# KiCad board LED_Addrs.kicad_pcb (continued)
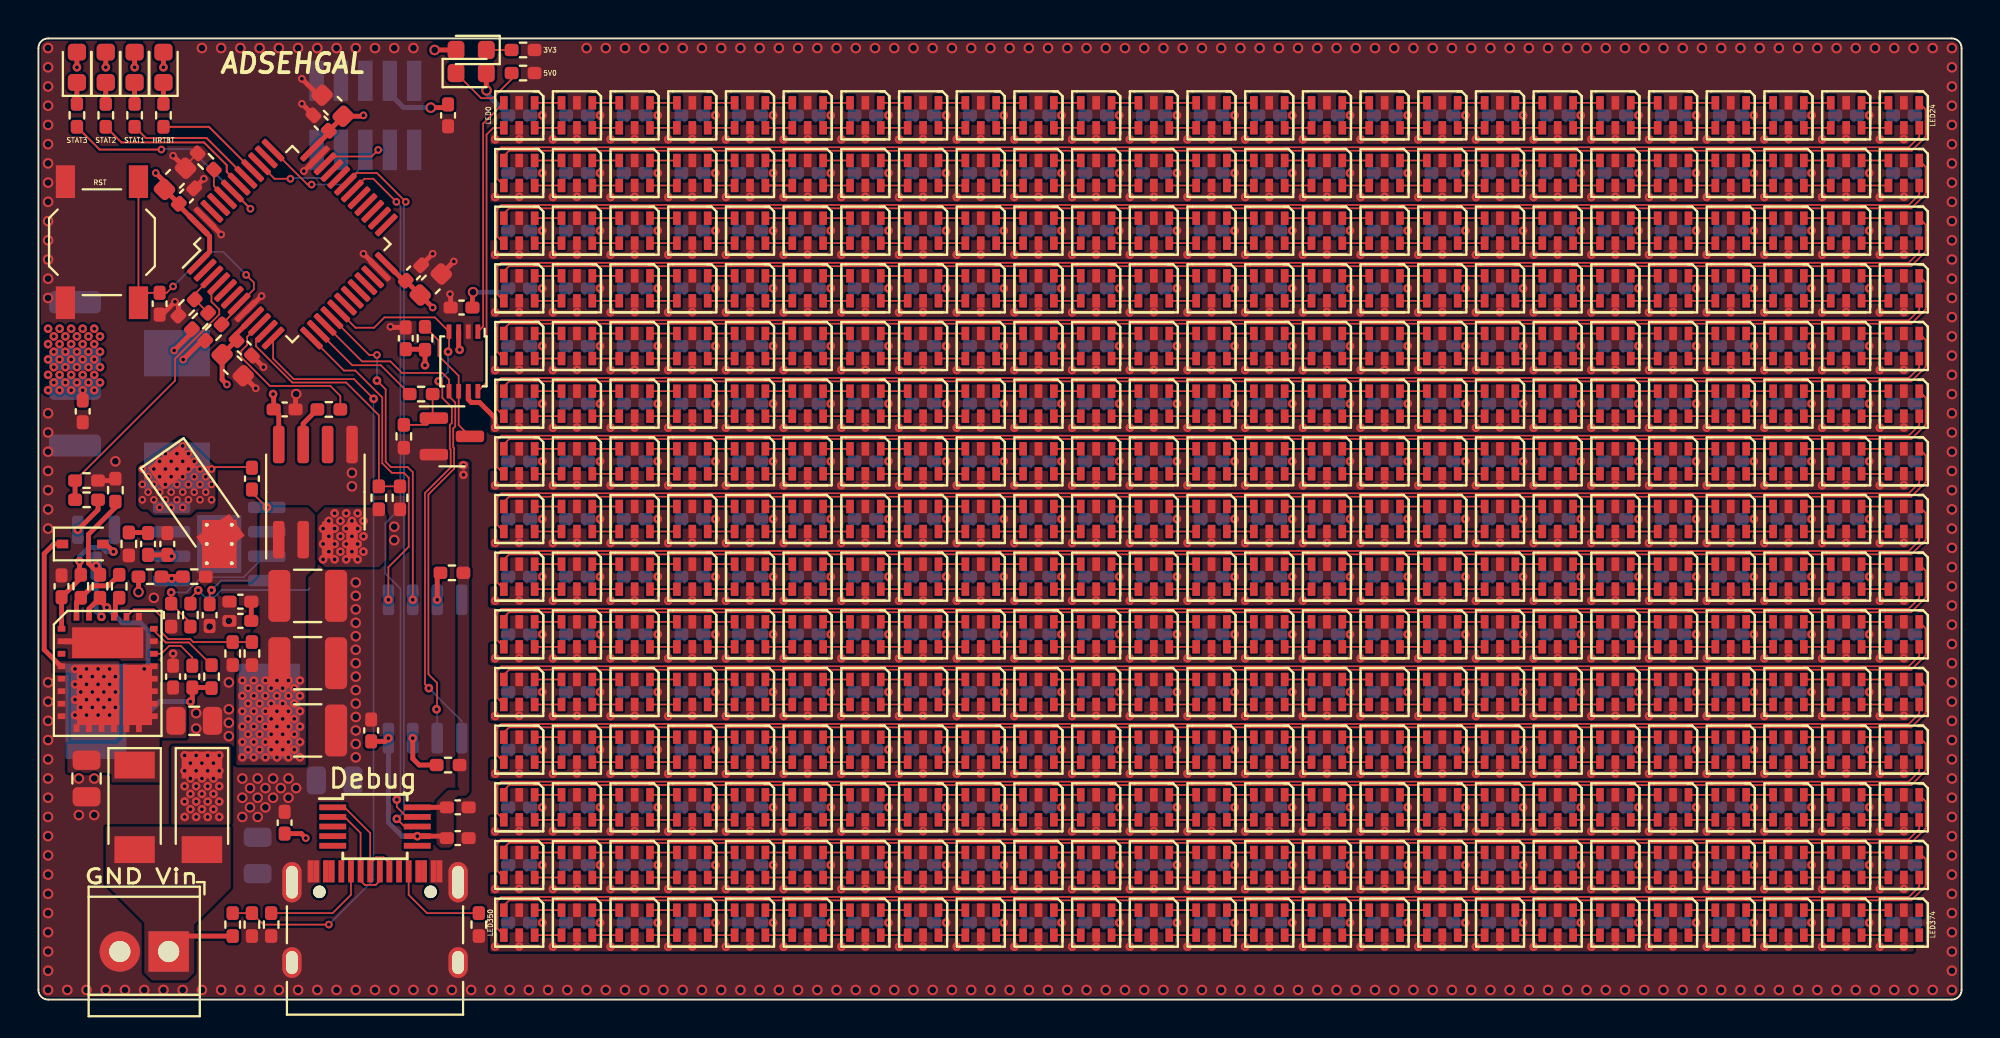
[diagram p0: board, top side]
## Nets (continued)
Net-(D147-Pad6): D147.6 D148.4
Net-(D148-Pad1): D148.1 D149.3
Net-(D148-Pad6): D148.6 D149.4
Net-(D149-Pad1): D149.1 D150.3
Net-(D149-Pad6): D149.6 D150.4
Net-(D151-Pad1): D151.1 D152.3
Net-(D151-Pad6): D151.6 D152.4
Net-(D152-Pad1): D152.1 D153.3
Net-(D152-Pad6): D152.6 D153.4
Net-(D153-Pad1): D153.1 D154.3
Net-(D153-Pad6): D153.6 D154.4
Net-(D154-Pad1): D154.1 D155.3
Net-(D154-Pad6): D154.6 D155.4
Net-(D155-Pad1): D155.1 D156.3
Net-(D155-Pad6): D155.6 D156.4
Net-(D156-Pad1): D156.1 D157.3
Net-(D156-Pad6): D156.6 D157.4
Net-(D157-Pad1): D157.1 D158.3
Net-(D157-Pad6): D157.6 D158.4
Net-(D158-Pad1): D158.1 D159.3
Net-(D158-Pad6): D158.6 D159.4
Net-(D159-Pad1): D159.1 D160.3
Net-(D159-Pad6): D159.6 D160.4
Net-(D160-Pad1): D160.1 D161.3
Net-(D160-Pad6): D160.6 D161.4
Net-(D161-Pad1): D161.1 D162.3
Net-(D161-Pad6): D161.6 D162.4
Net-(D162-Pad1): D162.1 D163.3
Net-(D162-Pad6): D162.6 D163.4
Net-(D163-Pad1): D163.1 D164.3
Net-(D163-Pad6): D163.6 D164.4
Net-(D164-Pad1): D164.1 D165.3
Net-(D164-Pad6): D164.6 D165.4
Net-(D165-Pad1): D165.1 D166.3
Net-(D165-Pad6): D165.6 D166.4
Net-(D166-Pad1): D166.1 D167.3
Net-(D166-Pad6): D166.6 D167.4
Net-(D167-Pad1): D167.1 D168.3
Net-(D167-Pad6): D167.6 D168.4
Net-(D168-Pad1): D168.1 D169.3
Net-(D168-Pad6): D168.6 D169.4
Net-(D169-Pad1): D169.1 D170.3
Net-(D169-Pad6): D169.6 D170.4
Net-(D170-Pad1): D170.1 D171.3
Net-(D170-Pad6): D170.6 D171.4
Net-(D171-Pad1): D171.1 D172.3
Net-(D171-Pad6): D171.6 D172.4
Net-(D172-Pad1): D172.1 D173.3
Net-(D172-Pad6): D172.6 D173.4
Net-(D173-Pad1): D173.1 D174.3
Net-(D173-Pad6): D173.6 D174.4
Net-(D174-Pad1): D174.1 D175.3
Net-(D174-Pad6): D174.6 D175.4
Net-(D176-Pad1): D176.1 D177.3
Net-(D176-Pad6): D176.6 D177.4
Net-(D177-Pad1): D177.1 D178.3
Net-(D177-Pad6): D177.6 D178.4
Net-(D178-Pad1): D178.1 D179.3
Net-(D178-Pad6): D178.6 D179.4
Net-(D179-Pad1): D179.1 D180.3
Net-(D179-Pad6): D179.6 D180.4
Net-(D180-Pad1): D180.1 D181.3
Net-(D180-Pad6): D180.6 D181.4
Net-(D181-Pad1): D181.1 D182.3
Net-(D181-Pad6): D181.6 D182.4
Net-(D182-Pad1): D182.1 D183.3
Net-(D182-Pad6): D182.6 D183.4
Net-(D183-Pad1): D183.1 D184.3
Net-(D183-Pad6): D183.6 D184.4
Net-(D184-Pad1): D184.1 D185.3
Net-(D184-Pad6): D184.6 D185.4
Net-(D185-Pad1): D185.1 D186.3
Net-(D185-Pad6): D185.6 D186.4
Net-(D186-Pad1): D186.1 D187.3
Net-(D186-Pad6): D186.6 D187.4
Net-(D187-Pad1): D187.1 D188.3
Net-(D187-Pad6): D187.6 D188.4
Net-(D188-Pad1): D188.1 D189.3
Net-(D188-Pad6): D188.6 D189.4
Net-(D189-Pad1): D189.1 D190.3
Net-(D189-Pad6): D189.6 D190.4
Net-(D190-Pad1): D190.1 D191.3
Net-(D190-Pad6): D190.6 D191.4
Net-(D191-Pad1): D191.1 D192.3
Net-(D191-Pad6): D191.6 D192.4
Net-(D192-Pad1): D192.1 D193.3
Net-(D192-Pad6): D192.6 D193.4
Net-(D193-Pad1): D193.1 D194.3
Net-(D193-Pad6): D193.6 D194.4
Net-(D194-Pad1): D194.1 D195.3
Net-(D194-Pad6): D194.6 D195.4
Net-(D195-Pad1): D195.1 D196.3
Net-(D195-Pad6): D195.6 D196.4
Net-(D196-Pad1): D196.1 D197.3
Net-(D196-Pad6): D196.6 D197.4
Net-(D197-Pad1): D197.1 D198.3
Net-(D197-Pad6): D197.6 D198.4
Net-(D198-Pad1): D198.1 D199.3
Net-(D198-Pad6): D198.6 D199.4
Net-(D199-Pad1): D199.1 D200.3
Net-(D199-Pad6): D199.6 D200.4
Net-(D201-Pad1): D201.1 D202.3
Net-(D201-Pad6): D201.6 D202.4
Net-(D202-Pad1): D202.1 D203.3
Net-(D202-Pad6): D202.6 D203.4
Net-(D203-Pad1): D203.1 D204.3
Net-(D203-Pad6): D203.6 D204.4
Net-(D204-Pad1): D204.1 D205.3
Net-(D204-Pad6): D204.6 D205.4
Net-(D205-Pad1): D205.1 D206.3
Net-(D205-Pad6): D205.6 D206.4
Net-(D206-Pad1): D206.1 D207.3
Net-(D206-Pad6): D206.6 D207.4
Net-(D207-Pad1): D207.1 D208.3
Net-(D207-Pad6): D207.6 D208.4
Net-(D208-Pad1): D208.1 D209.3
Net-(D208-Pad6): D208.6 D209.4
Net-(D209-Pad1): D209.1 D210.3
Net-(D209-Pad6): D209.6 D210.4
Net-(D210-Pad1): D210.1 D211.3
Net-(D210-Pad6): D210.6 D211.4
Net-(D211-Pad1): D211.1 D212.3
Net-(D211-Pad6): D211.6 D212.4
Net-(D212-Pad1): D212.1 D213.3
Net-(D212-Pad6): D212.6 D213.4
Net-(D213-Pad1): D213.1 D214.3
Net-(D213-Pad6): D213.6 D214.4
Net-(D214-Pad1): D214.1 D215.3
Net-(D214-Pad6): D214.6 D215.4
Net-(D215-Pad1): D215.1 D216.3
Net-(D215-Pad6): D215.6 D216.4
Net-(D216-Pad1): D216.1 D217.3
Net-(D216-Pad6): D216.6 D217.4
Net-(D217-Pad1): D217.1 D218.3
Net-(D217-Pad6): D217.6 D218.4
Net-(D218-Pad1): D218.1 D219.3
Net-(D218-Pad6): D218.6 D219.4
Net-(D219-Pad1): D219.1 D220.3
Net-(D219-Pad6): D219.6 D220.4
Net-(D220-Pad1): D220.1 D221.3
Net-(D220-Pad6): D220.6 D221.4
Net-(D221-Pad1): D221.1 D222.3
Net-(D221-Pad6): D221.6 D222.4
Net-(D222-Pad1): D222.1 D223.3
Net-(D222-Pad6): D222.6 D223.4
Net-(D223-Pad1): D223.1 D224.3
Net-(D223-Pad6): D223.6 D224.4
Net-(D224-Pad1): D224.1 D225.3
Net-(D224-Pad6): D224.6 D225.4
Net-(D226-Pad1): D226.1 D227.3
Net-(D226-Pad6): D226.6 D227.4
Net-(D227-Pad1): D227.1 D228.3
Net-(D227-Pad6): D227.6 D228.4
Net-(D228-Pad1): D228.1 D229.3
Net-(D228-Pad6): D228.6 D229.4
Net-(D229-Pad1): D229.1 D230.3
Net-(D229-Pad6): D229.6 D230.4
Net-(D230-Pad1): D230.1 D231.3
Net-(D230-Pad6): D230.6 D231.4
Net-(D231-Pad1): D231.1 D232.3
Net-(D231-Pad6): D231.6 D232.4
Net-(D232-Pad1): D232.1 D233.3
Net-(D232-Pad6): D232.6 D233.4
Net-(D233-Pad1): D233.1 D234.3
Net-(D233-Pad6): D233.6 D234.4
Net-(D234-Pad1): D234.1 D235.3
Net-(D234-Pad6): D234.6 D235.4
Net-(D235-Pad1): D235.1 D236.3
Net-(D235-Pad6): D235.6 D236.4
Net-(D236-Pad1): D236.1 D237.3
Net-(D236-Pad6): D236.6 D237.4
Net-(D237-Pad1): D237.1 D238.3
Net-(D237-Pad6): D237.6 D238.4
Net-(D238-Pad1): D238.1 D239.3
Net-(D238-Pad6): D238.6 D239.4
Net-(D239-Pad1): D239.1 D240.3
Net-(D239-Pad6): D239.6 D240.4
Net-(D240-Pad1): D240.1 D241.3
Net-(D240-Pad6): D240.6 D241.4
Net-(D241-Pad1): D241.1 D242.3
Net-(D241-Pad6): D241.6 D242.4
Net-(D242-Pad1): D242.1 D243.3
Net-(D242-Pad6): D242.6 D243.4
Net-(D243-Pad1): D243.1 D244.3
Net-(D243-Pad6): D243.6 D244.4
Net-(D244-Pad1): D244.1 D245.3
Net-(D244-Pad6): D244.6 D245.4
Net-(D245-Pad1): D245.1 D246.3
Net-(D245-Pad6): D245.6 D246.4
Net-(D246-Pad1): D246.1 D247.3
Net-(D246-Pad6): D246.6 D247.4
Net-(D247-Pad1): D247.1 D248.3
Net-(D247-Pad6): D247.6 D248.4
Net-(D248-Pad1): D248.1 D249.3
Net-(D248-Pad6): D248.6 D249.4
Net-(D249-Pad1): D249.1 D250.3
Net-(D249-Pad6): D249.6 D250.4
Net-(D251-Pad1): D251.1 D252.3
Net-(D251-Pad6): D251.6 D252.4
Net-(D252-Pad1): D252.1 D253.3
Net-(D252-Pad6): D252.6 D253.4
Net-(D253-Pad1): D253.1 D254.3
Net-(D253-Pad6): D253.6 D254.4
Net-(D254-Pad1): D254.1 D255.3
Net-(D254-Pad6): D254.6 D255.4
Net-(D255-Pad1): D255.1 D256.3
Net-(D255-Pad6): D255.6 D256.4
Net-(D256-Pad1): D256.1 D257.3
Net-(D256-Pad6): D256.6 D257.4
Net-(D257-Pad1): D257.1 D258.3
Net-(D257-Pad6): D257.6 D258.4
Net-(D258-Pad1): D258.1 D259.3
Net-(D258-Pad6): D258.6 D259.4
Net-(D259-Pad1): D259.1 D260.3
Net-(D259-Pad6): D259.6 D260.4
Net-(D260-Pad1): D260.1 D261.3
Net-(D260-Pad6): D260.6 D261.4
Net-(D261-Pad1): D261.1 D262.3
Net-(D261-Pad6): D261.6 D262.4
Net-(D262-Pad1): D262.1 D263.3
Net-(D262-Pad6): D262.6 D263.4
Net-(D263-Pad1): D263.1 D264.3
Net-(D263-Pad6): D263.6 D264.4
Net-(D264-Pad1): D264.1 D265.3
Net-(D264-Pad6): D264.6 D265.4
Net-(D265-Pad1): D265.1 D266.3
Net-(D265-Pad6): D265.6 D266.4
Net-(D266-Pad1): D266.1 D267.3
Net-(D266-Pad6): D266.6 D267.4
Net-(D267-Pad1): D267.1 D268.3
Net-(D267-Pad6): D267.6 D268.4
Net-(D268-Pad1): D268.1 D269.3
Net-(D268-Pad6): D268.6 D269.4
Net-(D269-Pad1): D269.1 D270.3
Net-(D269-Pad6): D269.6 D270.4
Net-(D270-Pad1): D270.1 D271.3
Net-(D270-Pad6): D270.6 D271.4
Net-(D271-Pad1): D271.1 D272.3
Net-(D271-Pad6): D271.6 D272.4
Net-(D272-Pad1): D272.1 D273.3
Net-(D272-Pad6): D272.6 D273.4
Net-(D273-Pad1): D273.1 D274.3
Net-(D273-Pad6): D273.6 D274.4
Net-(D274-Pad1): D274.1 D275.3
Net-(D274-Pad6): D274.6 D275.4
Net-(D276-Pad1): D276.1 D277.3
Net-(D276-Pad6): D276.6 D277.4
Net-(D277-Pad1): D277.1 D278.3
Net-(D277-Pad6): D277.6 D278.4
Net-(D278-Pad1): D278.1 D279.3
Net-(D278-Pad6): D278.6 D279.4
Net-(D279-Pad1): D279.1 D280.3
Net-(D279-Pad6): D279.6 D280.4
Net-(D280-Pad1): D280.1 D281.3
Net-(D280-Pad6): D280.6 D281.4
Net-(D281-Pad1): D281.1 D282.3
Net-(D281-Pad6): D281.6 D282.4
Net-(D282-Pad1): D282.1 D283.3
Net-(D282-Pad6): D282.6 D283.4
Net-(D283-Pad1): D283.1 D284.3
Net-(D283-Pad6): D283.6 D284.4
Net-(D284-Pad1): D284.1 D285.3
Net-(D284-Pad6): D284.6 D285.4
Net-(D285-Pad1): D285.1 D286.3
Net-(D285-Pad6): D285.6 D286.4
Net-(D286-Pad1): D286.1 D287.3
Net-(D286-Pad6): D286.6 D287.4
Net-(D287-Pad1): D287.1 D288.3
Net-(D287-Pad6): D287.6 D288.4
Net-(D288-Pad1): D288.1 D289.3
Net-(D288-Pad6): D288.6 D289.4
Net-(D289-Pad1): D289.1 D290.3
Net-(D289-Pad6): D289.6 D290.4
Net-(D290-Pad1): D290.1 D291.3
Net-(D290-Pad6): D290.6 D291.4
Net-(D291-Pad1): D291.1 D292.3
Net-(D291-Pad6): D291.6 D292.4
Net-(D292-Pad1): D292.1 D293.3
Net-(D292-Pad6): D292.6 D293.4
Net-(D293-Pad1): D293.1 D294.3
Net-(D293-Pad6): D293.6 D294.4
Net-(D294-Pad1): D294.1 D295.3
Net-(D294-Pad6): D294.6 D295.4
Net-(D295-Pad1): D295.1 D296.3
Net-(D295-Pad6): D295.6 D296.4
Net-(D296-Pad1): D296.1 D297.3
Net-(D296-Pad6): D296.6 D297.4
Net-(D297-Pad1): D297.1 D298.3
Net-(D297-Pad6): D297.6 D298.4
Net-(D298-Pad1): D298.1 D299.3
Net-(D298-Pad6): D298.6 D299.4
Net-(D299-Pad1): D299.1 D300.3
Net-(D299-Pad6): D299.6 D300.4
Net-(D301-Pad1): D301.1 D302.3
Net-(D301-Pad6): D301.6 D302.4
Net-(D302-Pad1): D302.1 D303.3
Net-(D302-Pad6): D302.6 D303.4
Net-(D303-Pad1): D303.1 D304.3
Net-(D303-Pad6): D303.6 D304.4
Net-(D304-Pad1): D304.1 D305.3
Net-(D304-Pad6): D304.6 D305.4
Net-(D305-Pad1): D305.1 D306.3
Net-(D305-Pad6): D305.6 D306.4
Net-(D306-Pad1): D306.1 D307.3
Net-(D306-Pad6): D306.6 D307.4
Net-(D307-Pad1): D307.1 D308.3
Net-(D307-Pad6): D307.6 D308.4
Net-(D308-Pad1): D308.1 D309.3
Net-(D308-Pad6): D308.6 D309.4
Net-(D309-Pad1): D309.1 D310.3
Net-(D309-Pad6): D309.6 D310.4
Net-(D310-Pad1): D310.1 D311.3
Net-(D310-Pad6): D310.6 D311.4
Net-(D311-Pad1): D311.1 D312.3
Net-(D311-Pad6): D311.6 D312.4
Net-(D312-Pad1): D312.1 D313.3
Net-(D312-Pad6): D312.6 D313.4
Net-(D313-Pad1): D313.1 D314.3
Net-(D313-Pad6): D313.6 D314.4
Net-(D314-Pad1): D314.1 D315.3
Net-(D314-Pad6): D314.6 D315.4
Net-(D315-Pad1): D315.1 D316.3
Net-(D315-Pad6): D315.6 D316.4
Net-(D316-Pad1): D316.1 D317.3
Net-(D316-Pad6): D316.6 D317.4
Net-(D317-Pad1): D317.1 D318.3
Net-(D317-Pad6): D317.6 D318.4
Net-(D318-Pad1): D318.1 D319.3
Net-(D318-Pad6): D318.6 D319.4
Net-(D319-Pad1): D319.1 D320.3
Net-(D319-Pad6): D319.6 D320.4
Net-(D320-Pad1): D320.1 D321.3
Net-(D320-Pad6): D320.6 D321.4
Net-(D321-Pad1): D321.1 D322.3
Net-(D321-Pad6): D321.6 D322.4
Net-(D322-Pad1): D322.1 D323.3
Net-(D322-Pad6): D322.6 D323.4
Net-(D323-Pad1): D323.1 D324.3
Net-(D323-Pad6): D323.6 D324.4
Net-(D324-Pad1): D324.1 D325.3
Net-(D324-Pad6): D324.6 D325.4
Net-(D326-Pad1): D326.1 D327.3
Net-(D326-Pad6): D326.6 D327.4
Net-(D327-Pad1): D327.1 D328.3
Net-(D327-Pad6): D327.6 D328.4
Net-(D328-Pad1): D328.1 D329.3
Net-(D328-Pad6): D328.6 D329.4
Net-(D329-Pad1): D329.1 D330.3
Net-(D329-Pad6): D329.6 D330.4
Net-(D330-Pad1): D330.1 D331.3
Net-(D330-Pad6): D330.6 D331.4
Net-(D331-Pad1): D331.1 D332.3
Net-(D331-Pad6): D331.6 D332.4
Net-(D332-Pad1): D332.1 D333.3
Net-(D332-Pad6): D332.6 D333.4
Net-(D333-Pad1): D333.1 D334.3
Net-(D333-Pad6): D333.6 D334.4
Net-(D334-Pad1): D334.1 D335.3
Net-(D334-Pad6): D334.6 D335.4
Net-(D335-Pad1): D335.1 D336.3
Net-(D335-Pad6): D335.6 D336.4
Net-(D336-Pad1): D336.1 D337.3
Net-(D336-Pad6): D336.6 D337.4
Net-(D337-Pad1): D337.1 D338.3
Net-(D337-Pad6): D337.6 D338.4
Net-(D338-Pad1): D338.1 D339.3
Net-(D338-Pad6): D338.6 D339.4
Net-(D339-Pad1): D339.1 D340.3
Net-(D339-Pad6): D339.6 D340.4
Net-(D340-Pad1): D340.1 D341.3
Net-(D340-Pad6): D340.6 D341.4
Net-(D341-Pad1): D341.1 D342.3
Net-(D341-Pad6): D341.6 D342.4
Net-(D342-Pad1): D342.1 D343.3
Net-(D342-Pad6): D342.6 D343.4
Net-(D343-Pad1): D343.1 D344.3
Net-(D343-Pad6): D343.6 D344.4
Net-(D344-Pad1): D344.1 D345.3
Net-(D344-Pad6): D344.6 D345.4
Net-(D345-Pad1): D345.1 D346.3
Net-(D345-Pad6): D345.6 D346.4
Net-(D346-Pad1): D346.1 D347.3
Net-(D346-Pad6): D346.6 D347.4
Net-(D347-Pad1): D347.1 D348.3
Net-(D347-Pad6): D347.6 D348.4
Net-(D348-Pad1): D348.1 D349.3
Net-(D348-Pad6): D348.6 D349.4
Net-(D349-Pad1): D349.1 D350.3
Net-(D349-Pad6): D349.6 D350.4
Net-(D351-Pad1): D351.1 D352.3
Net-(D351-Pad6): D351.6 D352.4
Net-(D352-Pad1): D352.1 D353.3
Net-(D352-Pad6): D352.6 D353.4
Net-(D353-Pad1): D353.1 D354.3
Net-(D353-Pad6): D353.6 D354.4
Net-(D354-Pad1): D354.1 D355.3
Net-(D354-Pad6): D354.6 D355.4
Net-(D355-Pad1): D355.1 D356.3
Net-(D355-Pad6): D355.6 D356.4
Net-(D356-Pad1): D356.1 D357.3
Net-(D356-Pad6): D356.6 D357.4
Net-(D357-Pad1): D357.1 D358.3
Net-(D357-Pad6): D357.6 D358.4
Net-(D358-Pad1): D358.1 D359.3
Net-(D358-Pad6): D358.6 D359.4
Net-(D359-Pad1): D359.1 D360.3
Net-(D359-Pad6): D359.6 D360.4
Net-(D360-Pad1): D360.1 D361.3
Net-(D360-Pad6): D360.6 D361.4
Net-(D361-Pad1): D361.1 D362.3
Net-(D361-Pad6): D361.6 D362.4
Net-(D362-Pad1): D362.1 D363.3
Net-(D362-Pad6): D362.6 D363.4
Net-(D363-Pad1): D363.1 D364.3
Net-(D363-Pad6): D363.6 D364.4
Net-(D364-Pad1): D364.1 D365.3
Net-(D364-Pad6): D364.6 D365.4
Net-(D365-Pad1): D365.1 D366.3
Net-(D365-Pad6): D365.6 D366.4
Net-(D366-Pad1): D366.1 D367.3
Net-(D366-Pad6): D366.6 D367.4
Net-(D367-Pad1): D367.1 D368.3
Net-(D367-Pad6): D367.6 D368.4
Net-(D368-Pad1): D368.1 D369.3
Net-(D368-Pad6): D368.6 D369.4
Net-(D369-Pad1): D369.1 D370.3
Net-(D369-Pad6): D369.6 D370.4
Net-(D370-Pad1): D370.1 D371.3
Net-(D370-Pad6): D370.6 D371.4
Net-(D371-Pad1): D371.1 D372.3
Net-(D371-Pad6): D371.6 D372.4
Net-(D372-Pad1): D372.1 D373.3
Net-(D372-Pad6): D372.6 D373.4
Net-(D373-Pad1): D373.1 D374.3
Net-(D373-Pad6): D373.6 D374.4
Net-(D374-Pad1): D374.1 D375.3
Net-(D374-Pad6): D374.6 D375.4
Net-(D376-Pad1): D376.1 R3.1
Net-(D377-Pad1): D377.1 R4.1
Net-(D378-Pad1): D378.1 R5.1
Net-(D379-Pad1): D379.1 R6.1
Net-(D382-Pad1): D382.1 R20.1
Net-(D385-Pad1): D385.1 R37.1
Net-(J2-PadA5): J2.A5 R10.1
Net-(J2-PadB5): J2.B5 R11.1
Net-(Q1-Pad1): Q1.1 R13.1 R14.2
Net-(Q1-Pad3): Q1.3 R12.1 U3.6
Net-(Q2-Pad1): Q2.1 R29.1
Net-(Q2-Pad3): Q2.3 R26.1 R28.2 U6.26
Net-(R15-Pad1): R15.1 U4.3
Net-(R16-Pad1): R16.1 U4.7
Net-(R17-Pad1): R17.1 R19.2 U5.5
Net-(R18-Pad1): R18.1 R21.2 U5.3
Net-(R23-Pad2): R23.2 U7.7
Net-(R24-Pad2): R24.2 U6.22
Net-(R25-Pad1): R25.1 R27.2 U6.24
Net-(R33-Pad2): R33.2 U6.25

Pads without a net: J1 1 2 9 10; J2 A8 B8; U1 2 5 6 18 19 20 21 22 25 26 27 28 29 32 33 38 45 46; U2 3 4 5 6; U6 3; U7 6

## Via types
v1: diameter 0.55, hole 0.35, Top to Bottom, 323 vias
v2: diameter 0.45, hole 0.2, Top to Bottom, 1341 vias
v3: diameter 0.4, hole 0.2, Top to Bottom, 77 vias

## Routing (per net, layer and track width the routed paths; a pad name or vN(x,y) marks a point on that pad's centre or on a via; arc(x,y) is an arc through that point)
+3V3: length 52.7
  Top w0.254: D378.2 v2(3.5,48.5) ; 12.5,28.88 12.5,30.44 C408.1 12.23,31.47 v2(12.2,31.5) ; C388.2 21.13,46.4 v1(20.4,46.4) ; C397.2 18.03,13.43 v2(18.2,13.6) ; U1.9 10.3,34.63 C382.2 9.55,33.55 C383.2 9.55,32.25 v3(9.8,32) ; v3(7.53,33.3) 8.51,34.28 R2.1 ; D382.2 v1(20.6,49.4) ; v3(6.1,43) 6.55,42.55 C379.2 6.55,42.15 C378.2 7.3,41.31 U1.48 8.9,39.71 8.9,38.9 8.31,38.31 U1.1 ; U1.24 18.99,37.4 C376.2 19.85,36.65 C377.2 19.85,36.65 v3(20.5,36) ; R1.1 7.98,34.69 v3(7.05,33.77) ; D376.2 v2(6.5,48.5) ; C394.2 21.13,8.5 v2(19.7,8.5) ; v3(16.9,46) 16.85,45.95 C381.2 15.85,45.95 C380.2 15.1,45.09 U1.36 ; v2(21.9,33.8) 21.85,33.85 U3.3 ; R17.2 5.2,21.2 v1(5.2,21.2) ; C401.2 v2(2.3,31.7) ; C395.1 20.07,33.83 R12.2 v2(20.1,33) ; D377.2 v2(5,48.5) ; U2.10 C393.2 ; D379.2 v2(2,48.5)
  In2.Cu w0.254: 4.8,28 4.8,21.6 v1(5.2,21.2)
  Bottom w0.254: v2(19.7,8.5) 18.91,8.5 18.2,9.22 v2(18.2,13.6) ; v1(20.4,46.4) 19,46.4 18.27,47.12 J1.3
  vias: v2(0.5,34.9) v2(0.5,34.1) v2(0.5,33.3) v2(0.5,32.5) v2(0.5,31.7) v2(0.8,34.5) v2(0.8,33.7) v2(0.8,32.9) v2(0.8,32.1) v2(1.1,34.9) v2(1.1,34.1) v2(1.1,33.3) v2(1.1,32.5) v2(1.1,31.7) v2(1.4,34.5) v2(1.4,33.7) v2(1.4,32.9) v2(1.4,32.1) v2(1.7,34.9) v2(1.7,34.1) v2(1.7,33.3) v2(1.7,32.5) v2(1.7,31.7) v2(2,34.5) v2(2,33.7) v2(2,32.9) v2(2,32.1) v2(2.3,34.9) v2(2.3,34.1) v2(2.3,33.3) v2(2.3,32.5) v2(2.6,34.5) v2(2.6,33.7) v2(2.6,32.9) v2(2.6,32.1) v2(2.9,34.9) v2(2.9,34.1) v2(2.9,33.3) v2(2.9,32.5) v2(2.9,31.7) v2(3.2,34.5) v2(3.2,33.7) v2(3.2,32.9) v2(3.2,32.1) v2(22.1,27.8) v2(22.1,27.3)
+5V: length 8.1
  Top w0.254: D385.2 23.29,47.31 v1(23.3,47.3) ; C396.2 22.57,36.77 v1(22.6,36.8) ; v2(23.75,29.75) 23.75,30.25 22.94,31.06 22.51,31.06 22.35,31.22 U3.7
  Bottom w0.254: C76.2 24.23,36.8 v1(22.6,36.8) ; C1.2 23.3,47.13 v1(23.3,47.3)
  vias: v2(14.8,24.5) v2(14.8,23.7) v2(14.8,22.9) v2(15.1,24.9) v2(15.1,24.1) v2(15.1,23.3) v2(15.4,25.3) v2(15.4,24.5) v2(15.4,23.7) v2(15.4,22.9) v2(15.7,24.9) v2(15.7,24.1) v2(15.7,23.3) v2(16,25.3) v2(16,24.5) v2(16,23.7) v2(16,22.9) v2(16.3,24.9) v2(16.3,24.1) v2(16.3,23.3) v2(16.6,25.3) v2(16.6,24.5) v2(16.6,23.7) v2(16.6,22.9) v2(16.9,24.9) v2(16.9,24.1) v2(16.9,23.3) v2(23.75,44.75) v2(23.75,41.75) v2(23.75,38.75) v2(23.75,35.75) v2(23.75,32.75) v2(23.75,26.75) v2(23.75,23.75) v2(23.75,20.75) v2(23.75,17.75) v2(23.75,14.75) v2(23.75,11.75) v2(23.75,8.75) v2(23.75,5.75) v2(23.75,2.75) v2(25,44.76) v2(25,41.76) v2(25,38.76) v2(25,35.76) v2(25,32.76) v2(25,29.76) v2(25,26.76) v2(25,23.76) v2(25,20.76) v2(25,17.76) v2(25,14.76) v2(25,11.76) v2(25,8.76) v2(25,5.76) v2(25,2.76) v2(26.75,44.75) v2(26.75,41.75) v2(26.75,38.75) v2(26.75,35.75) v2(26.75,32.75) v2(26.75,29.75) v2(26.75,26.75) v2(26.75,23.75) v2(26.75,20.75) v2(26.75,17.75) v2(26.75,14.75) v2(26.75,11.75) v2(26.75,8.75) v2(26.75,5.75) v2(26.75,2.75) v2(28,44.76) v2(28,41.76) v2(28,38.76) v2(28,35.76) v2(28,32.76) v2(28,29.76) v2(28,26.76) v2(28,23.76) v2(28,20.76) v2(28,17.76) v2(28,14.76) v2(28,11.76) v2(28,8.76) v2(28,5.76) v2(28,2.76) v2(29.75,44.75) v2(29.75,41.75) v2(29.75,38.75) v2(29.75,35.75) v2(29.75,32.75) v2(29.75,29.75) v2(29.75,26.75) v2(29.75,23.75) v2(29.75,20.75) v2(29.75,17.75) v2(29.75,14.75) v2(29.75,11.75) v2(29.75,8.75) v2(29.75,5.75) v2(29.75,2.75) v2(31,44.76) v2(31,41.76) v2(31,38.76) v2(31,35.76) v2(31,32.76) v2(31,29.76) v2(31,26.76) v2(31,23.76) v2(31,20.76) v2(31,17.76) v2(31,14.76) v2(31,11.76) v2(31,8.76) v2(31,5.76) v2(31,2.76) v2(32.75,44.75) v2(32.75,41.75) v2(32.75,38.75) v2(32.75,35.75) v2(32.75,32.75) v2(32.75,29.75) v2(32.75,26.75) v2(32.75,23.75) v2(32.75,20.75) v2(32.75,17.75) v2(32.75,14.75) v2(32.75,11.75) v2(32.75,8.75) v2(32.75,5.75) v2(32.75,2.75) v2(34,44.76) v2(34,41.76) v2(34,38.76) v2(34,35.76) v2(34,32.76) v2(34,29.76) v2(34,26.76) v2(34,23.76) v2(34,20.76) v2(34,17.76) v2(34,14.76) v2(34,11.76) v2(34,8.76) v2(34,5.76) v2(34,2.76) v2(35.75,44.75) v2(35.75,41.75) v2(35.75,38.75) v2(35.75,35.75) v2(35.75,32.75) v2(35.75,29.75) v2(35.75,26.75) v2(35.75,23.75) v2(35.75,20.75) v2(35.75,17.75) v2(35.75,14.75) v2(35.75,11.75) v2(35.75,8.75) v2(35.75,5.75) v2(35.75,2.75) v2(37,44.76) v2(37,41.76) v2(37,38.76) v2(37,35.76) v2(37,32.76) v2(37,29.76) v2(37,26.76) v2(37,23.76) v2(37,20.76) v2(37,17.76) v2(37,14.76) v2(37,11.76) v2(37,8.76) v2(37,5.76) v2(37,2.76) v2(38.75,44.75) v2(38.75,41.75) v2(38.75,38.75) v2(38.75,35.75) v2(38.75,32.75) v2(38.75,29.75) v2(38.75,26.75) v2(38.75,23.75) v2(38.75,20.75) v2(38.75,17.75) v2(38.75,14.75) v2(38.75,11.75) v2(38.75,8.75) v2(38.75,5.75) v2(38.75,2.75) v2(40,44.76) v2(40,41.76) v2(40,38.76) v2(40,35.76) v2(40,32.76) v2(40,29.76) v2(40,26.76) v2(40,23.76) v2(40,20.76) v2(40,17.76) v2(40,14.76) v2(40,11.76) v2(40,8.76) v2(40,5.76) v2(40,2.76) v2(41.75,44.75) v2(41.75,41.75) v2(41.75,38.75) v2(41.75,35.75) v2(41.75,32.75) v2(41.75,29.75) v2(41.75,26.75) v2(41.75,23.75) v2(41.75,20.75) v2(41.75,17.75) v2(41.75,14.75) v2(41.75,11.75) v2(41.75,8.75) v2(41.75,5.75) v2(41.75,2.75) v2(43,44.76) v2(43,41.76) v2(43,38.76) v2(43,35.76) v2(43,32.76) v2(43,29.76) v2(43,26.76) v2(43,23.76) v2(43,20.76) v2(43,17.76) v2(43,14.76) v2(43,11.76) v2(43,8.76) v2(43,5.76) v2(43,2.76) v2(44.75,44.75) v2(44.75,41.75) v2(44.75,38.75) v2(44.75,35.75) v2(44.75,32.75) v2(44.75,29.75) v2(44.75,26.75) v2(44.75,23.75) v2(44.75,20.75) v2(44.75,17.75) v2(44.75,14.75) v2(44.75,11.75) v2(44.75,8.75) v2(44.75,5.75) v2(44.75,2.75) v2(46,44.76) v2(46,41.76) v2(46,38.76) v2(46,35.76) v2(46,32.76) v2(46,29.76) v2(46,26.76) v2(46,23.76) v2(46,20.76) v2(46,17.76) v2(46,14.76) v2(46,11.76) v2(46,8.76) v2(46,5.76) v2(46,2.76) v2(47.75,44.75) v2(47.75,41.75) v2(47.75,38.75) v2(47.75,35.75) v2(47.75,32.75) v2(47.75,29.75) v2(47.75,26.75) v2(47.75,23.75) v2(47.75,20.75) v2(47.75,17.75) v2(47.75,14.75) v2(47.75,11.75) v2(47.75,8.75) v2(47.75,5.75) v2(47.75,2.75) v2(49,44.76) v2(49,41.76) v2(49,38.76) v2(49,35.76) v2(49,32.76) v2(49,29.76) v2(49,26.76) v2(49,23.76) v2(49,20.76) v2(49,17.76) v2(49,14.76) v2(49,11.76) v2(49,8.76) v2(49,5.76) v2(49,2.76) v2(50.75,44.75) v2(50.75,41.75) v2(50.75,38.75) v2(50.75,35.75) v2(50.75,32.75) v2(50.75,29.75) v2(50.75,26.75) v2(50.75,23.75) v2(50.75,20.75) v2(50.75,17.75) v2(50.75,14.75) v2(50.75,11.75) v2(50.75,8.75) v2(50.75,5.75) v2(50.75,2.75) v2(52,44.76) v2(52,41.76) v2(52,38.76) v2(52,35.76) v2(52,32.76) v2(52,29.76) v2(52,26.76) v2(52,23.76) v2(52,20.76) v2(52,17.76) v2(52,14.76) v2(52,11.76) v2(52,8.76) v2(52,5.76) v2(52,2.76) v2(53.75,44.75) v2(53.75,41.75) v2(53.75,38.75) v2(53.75,35.75) v2(53.75,32.75) v2(53.75,29.75) v2(53.75,26.75) v2(53.75,23.75) v2(53.75,20.75) v2(53.75,17.75) v2(53.75,14.75) v2(53.75,11.75) v2(53.75,8.75) v2(53.75,5.75) v2(53.75,2.75) v2(55,44.76) v2(55,41.76) v2(55,38.76) v2(55,35.76) v2(55,32.76) v2(55,29.76) v2(55,26.76) v2(55,23.76) v2(55,20.76) v2(55,17.76) v2(55,14.76) v2(55,11.76) v2(55,8.76) v2(55,5.76) v2(55,2.76) v2(56.75,44.75) v2(56.75,41.75) v2(56.75,38.75) v2(56.75,35.75) v2(56.75,32.75) v2(56.75,29.75) v2(56.75,26.75) v2(56.75,23.75) v2(56.75,20.75) v2(56.75,17.75) v2(56.75,14.75) v2(56.75,11.75) v2(56.75,8.75) v2(56.75,5.75) v2(56.75,2.75) v2(58,44.76) v2(58,41.76) v2(58,38.76) v2(58,35.76) v2(58,32.76) v2(58,29.76) v2(58,26.76) v2(58,23.76) v2(58,20.76) v2(58,17.76) v2(58,14.76) v2(58,11.76) v2(58,8.76) v2(58,5.76) v2(58,2.76) v2(59.75,44.75) v2(59.75,41.75) v2(59.75,38.75) v2(59.75,35.75) v2(59.75,32.75) v2(59.75,29.75) v2(59.75,26.75) v2(59.75,23.75) v2(59.75,20.75) v2(59.75,17.75) v2(59.75,14.75) v2(59.75,11.75) v2(59.75,8.75) v2(59.75,5.75) v2(59.75,2.75) v2(61,44.76) v2(61,41.76) v2(61,38.76) v2(61,35.76) v2(61,32.76) v2(61,29.76) v2(61,26.76) v2(61,23.76) v2(61,20.76) v2(61,17.76) v2(61,14.76) v2(61,11.76) v2(61,8.76) v2(61,5.76) v2(61,2.76) v2(62.75,44.75) v2(62.75,41.75) v2(62.75,38.75) v2(62.75,35.75) v2(62.75,32.75) v2(62.75,29.75) v2(62.75,26.75) v2(62.75,23.75) v2(62.75,20.75) v2(62.75,17.75) v2(62.75,14.75) v2(62.75,11.75) v2(62.75,8.75) v2(62.75,5.75) v2(62.75,2.75) v2(64,44.76) v2(64,41.76) v2(64,38.76) v2(64,35.76) v2(64,32.76) v2(64,29.76) v2(64,26.76) v2(64,23.76) v2(64,20.76) v2(64,17.76) v2(64,14.76) v2(64,11.76) v2(64,8.76) v2(64,5.76) v2(64,2.76) v2(65.75,44.75) v2(65.75,41.75) v2(65.75,38.75) v2(65.75,35.75) v2(65.75,32.75) v2(65.75,29.75) v2(65.75,26.75) v2(65.75,23.75) v2(65.75,20.75) v2(65.75,17.75) v2(65.75,14.75) v2(65.75,11.75) v2(65.75,8.75) v2(65.75,5.75) v2(65.75,2.75) v2(67,44.76) v2(67,41.76) v2(67,38.76) v2(67,35.76) v2(67,32.76) v2(67,29.76) v2(67,26.76) v2(67,23.76) v2(67,20.76) v2(67,17.76) v2(67,14.76) v2(67,11.76) v2(67,8.76) v2(67,5.76) v2(67,2.76) v2(68.75,44.75) v2(68.75,41.75) v2(68.75,38.75) v2(68.75,35.75) v2(68.75,32.75) v2(68.75,29.75) v2(68.75,26.75) v2(68.75,23.75) v2(68.75,20.75) v2(68.75,17.75) v2(68.75,14.75) v2(68.75,11.75) v2(68.75,8.75) v2(68.75,5.75) v2(68.75,2.75) v2(70,44.76) v2(70,41.76) v2(70,38.76) v2(70,35.76) v2(70,32.76) v2(70,29.76) v2(70,26.76) v2(70,23.76) v2(70,20.76) v2(70,17.76) v2(70,14.76) v2(70,11.76) v2(70,8.76) v2(70,5.76) v2(70,2.76) v2(71.75,44.75) v2(71.75,41.75) v2(71.75,38.75) v2(71.75,35.75) v2(71.75,32.75) v2(71.75,29.75) v2(71.75,26.75) v2(71.75,23.75) v2(71.75,20.75) v2(71.75,17.75) v2(71.75,14.75) v2(71.75,11.75) v2(71.75,8.75) v2(71.75,5.75) v2(71.75,2.75) v2(73,44.76) v2(73,41.76) v2(73,38.76) v2(73,35.76) v2(73,32.76) v2(73,29.76) v2(73,26.76) v2(73,23.76) v2(73,20.76) v2(73,17.76) v2(73,14.76) v2(73,11.76) v2(73,8.76) v2(73,5.76) v2(73,2.76) v2(74.75,44.75) v2(74.75,41.75) v2(74.75,38.75) v2(74.75,35.75) v2(74.75,32.75) v2(74.75,29.75) v2(74.75,26.75) v2(74.75,23.75) v2(74.75,20.75) v2(74.75,17.75) v2(74.75,14.75) v2(74.75,11.75) v2(74.75,8.75) v2(74.75,5.75) v2(74.75,2.75) v2(76,44.76) v2(76,41.76) v2(76,38.76) v2(76,35.76) v2(76,32.76) v2(76,29.76) v2(76,26.76) v2(76,23.76) v2(76,20.76) v2(76,17.76) v2(76,14.76) v2(76,11.76) v2(76,8.76) v2(76,5.76) v2(76,2.76) v2(77.75,44.75) v2(77.75,41.75) v2(77.75,38.75) v2(77.75,35.75) v2(77.75,32.75) v2(77.75,29.75) v2(77.75,26.75) v2(77.75,23.75) v2(77.75,20.75) v2(77.75,17.75) v2(77.75,14.75) v2(77.75,11.75) v2(77.75,8.75) v2(77.75,5.75) v2(77.75,2.75) v2(79,44.76) v2(79,41.76) v2(79,38.76) v2(79,35.76) v2(79,32.76) v2(79,29.76) v2(79,26.76) v2(79,23.76) v2(79,20.76) v2(79,17.76) v2(79,14.76) v2(79,11.76) v2(79,8.76) v2(79,5.76) v2(79,2.76) v2(80.75,44.75) v2(80.75,41.75) v2(80.75,38.75) v2(80.75,35.75) v2(80.75,32.75) v2(80.75,29.75) v2(80.75,26.75) v2(80.75,23.75) v2(80.75,20.75) v2(80.75,17.75) v2(80.75,14.75) v2(80.75,11.75) v2(80.75,8.75) v2(80.75,5.75) v2(80.75,2.75) v2(82,44.76) v2(82,41.76) v2(82,38.76) v2(82,35.76) v2(82,32.76) v2(82,29.76) v2(82,26.76) v2(82,23.76) v2(82,20.76) v2(82,17.76) v2(82,14.76) v2(82,11.76) v2(82,8.76) v2(82,5.76) v2(82,2.76) v2(83.75,44.75) v2(83.75,41.75) v2(83.75,38.75) v2(83.75,35.75) v2(83.75,32.75) v2(83.75,29.75) v2(83.75,26.75) v2(83.75,23.75) v2(83.75,20.75) v2(83.75,17.75) v2(83.75,14.75) v2(83.75,11.75) v2(83.75,8.75) v2(83.75,5.75) v2(83.75,2.75) v2(85,44.76) v2(85,41.76) v2(85,38.76) v2(85,35.76) v2(85,32.76) v2(85,29.76) v2(85,26.76) v2(85,23.76) v2(85,20.76) v2(85,17.76) v2(85,14.76) v2(85,11.76) v2(85,8.76) v2(85,5.76) v2(85,2.76) v2(86.75,44.75) v2(86.75,41.75) v2(86.75,38.75) v2(86.75,35.75) v2(86.75,32.75) v2(86.75,29.75) v2(86.75,26.75) v2(86.75,23.75) v2(86.75,20.75) v2(86.75,17.75) v2(86.75,14.75) v2(86.75,11.75) v2(86.75,8.75) v2(86.75,5.75) v2(86.75,2.75) v2(88,44.76) v2(88,41.76) v2(88,38.76) v2(88,35.76) v2(88,32.76) v2(88,29.76) v2(88,26.76) v2(88,23.76) v2(88,20.76) v2(88,17.76) v2(88,14.76) v2(88,11.76) v2(88,8.76) v2(88,5.76) v2(88,2.76) v2(89.75,44.75) v2(89.75,41.75) v2(89.75,38.75) v2(89.75,35.75) v2(89.75,32.75) v2(89.75,29.75) v2(89.75,26.75) v2(89.75,23.75) v2(89.75,20.75) v2(89.75,17.75) v2(89.75,14.75) v2(89.75,11.75) v2(89.75,8.75) v2(89.75,5.75) v2(89.75,2.75) v2(91,44.76) v2(91,41.76) v2(91,38.76) v2(91,35.76) v2(91,32.76) v2(91,29.76) v2(91,26.76) v2(91,23.76) v2(91,20.76) v2(91,17.76) v2(91,14.76) v2(91,11.76) v2(91,8.76) v2(91,5.76) v2(91,2.76) v2(92.75,44.75) v2(92.75,41.75) v2(92.75,38.75) v2(92.75,35.75) v2(92.75,32.75) v2(92.75,29.75) v2(92.75,26.75) v2(92.75,23.75) v2(92.75,20.75) v2(92.75,17.75) v2(92.75,14.75) v2(92.75,11.75) v2(92.75,8.75) v2(92.75,5.75) v2(92.75,2.75) v2(94,44.76) v2(94,41.76) v2(94,38.76) v2(94,35.76) v2(94,32.76) v2(94,29.76) v2(94,26.76) v2(94,23.76) v2(94,20.76) v2(94,17.76) v2(94,14.76) v2(94,11.76) v2(94,8.76) v2(94,5.76) v2(94,2.76) v2(95.75,44.75) v2(95.75,41.75) v2(95.75,38.75) v2(95.75,35.75) v2(95.75,32.75) v2(95.75,29.75) v2(95.75,26.75) v2(95.75,23.75) v2(95.75,20.75) v2(95.75,17.75) v2(95.75,14.75) v2(95.75,11.75) v2(95.75,8.75) v2(95.75,5.75) v2(95.75,2.75) v2(97,44.76) v2(97,41.76) v2(97,38.76) v2(97,35.76) v2(97,32.76) v2(97,29.76) v2(97,26.76) v2(97,23.76) v2(97,20.76) v2(97,17.76) v2(97,14.76) v2(97,11.76) v2(97,8.76) v2(97,5.76) v2(97,2.76)
